# Altium PCB DAC_Sources.PcbDoc (part 2 of 9)
Units mil, origin at the board's own origin, x right, y up, seen from the top; angles counter-clockwise.
Board outline 10905.51 x 5393.7 mil, 8 copper layers (Top Layer, GND_02, SIG_03, PWR_04, PWR_05, SIG_06, GND_07, Bottom Layer), stack 65.69 mil thick; 663 components, 464 nets, 2338 pads, 2140 vias.
Unrouted connection lines stored in the file: 515.
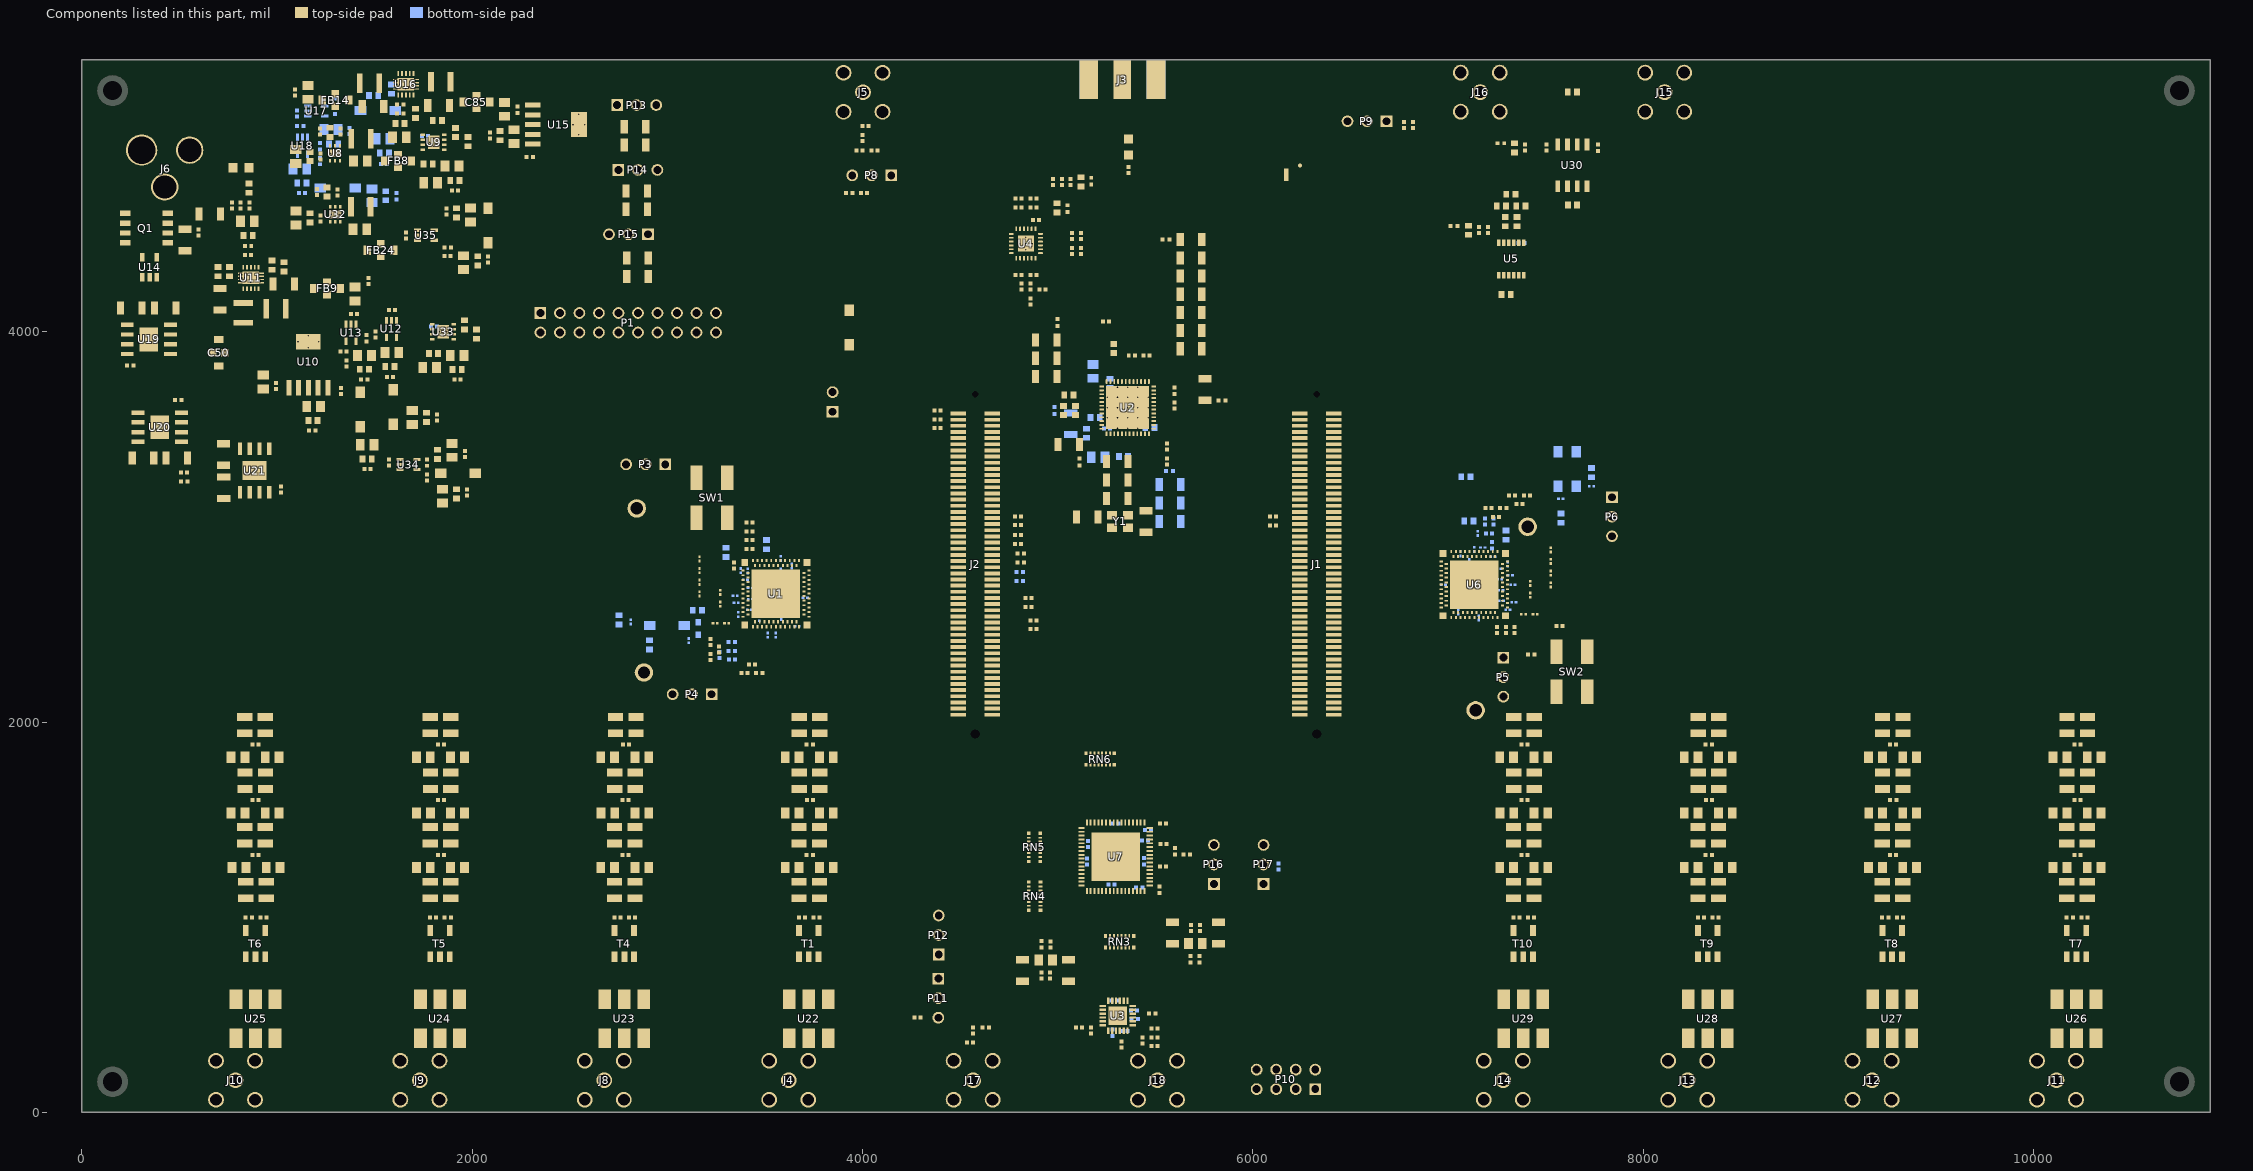
[diagram p8: the components of this part, seen from the top]

## Components (designator, comment, footprint, x,y, rotation, side; value= is the part's Value field where it differs from the comment) (continued)
R151 "RC0402JR-070RL" R0402 4384.65,3551.18 r0 top
R152 "RC0402JR-070RL" R0402 4385.04,3595.67 r180 top
RN3 "EXB-2HV470JV" EXB-2HV470JV 5317.72,875.2 r180 top
RN4 "EXB-2HV470JV" EXB-2HV470JV 4881.89,1108.27 r90 top
RN5 "EXB-2HV470JV" EXB-2HV470JV 4881.1,1358.66 r90 top
RN6 "EXB-2HV470JV" EXB-2HV470JV 5218.15,1811.02 r0 top
SW1 "KT11P3JM34LFS" FP-KT11P3JM34LFS-MFG 3228.35,3149.21 r270 top
SW2 "KT11P3JM34LFS" FP-KT11P3JM34LFS-MFG 7635.43,2258.56 r90 top
T1 "ETC1-1-13TR" FP-ETC1-1-13TR-MFG 3724.65,865 r180 top
T4 "ETC1-1-13TR" FP-ETC1-1-13TR-MFG 2779.76,865 r180 top
T5 "ETC1-1-13TR" FP-ETC1-1-13TR-MFG 1834.88,865 r180 top
T6 "ETC1-1-13TR" FP-ETC1-1-13TR-MFG 890,865 r180 top
T7 "ETC1-1-13TR" FP-ETC1-1-13TR-MFG 10220.71,865 r180 top
T8 "ETC1-1-13TR" FP-ETC1-1-13TR-MFG 9275.83,865 r180 top
T9 "ETC1-1-13TR" FP-ETC1-1-13TR-MFG 8330.94,865 r180 top
T10 "ETC1-1-13TR" FP-ETC1-1-13TR-MFG 7386.06,865 r180 top
TP5 "5010" 5010 2843.31,3095.28 r0 top
TP6 "5010" 5010 2880.31,2254.33 r0 top
TP7 "5010" 5010 7141.73,2060.63 r0 top
TP8 "5010" 5010 7408.27,3001.18 r0 top
U1 "DAC3484IRKDT" TI-RKD88-6300X6300TP_V 3556.3,2658.19 r180 top
U2 "CDCE62005RGZT" FP-RGZ0048D-IPC_A 5359.06,3611.42 r90 top
U3 "ADA4930-2YCPZ-R2" 24-LFCSP 5309.06,496.46 r90 top
U4 "CDCP1803RGET" QFN25 4837.4,4452.36 r90 top
U5 "LTC6957HMS-2#PBF" 12_MSOP 7323.8,4373.16 r180 top
U6 "DAC3484IRKDT" TI-RKD88-6300X6300TP_V 7135.04,2704.72 r0 top
U7 "AD9643BCPZ-250" 64-LFCSP_9X9 5297.24,1310.47 r270 top
U8 "TPS62290DRVR" FP-DRV0006A-IPC_A 1297.64,4914.57 r270 top
U9 "TPS7A8001DRBR" DRB0008A_V 1802.17,4971.54 r180 top
U10 "TPS79633QDCQRQ1" DCQ0006A 1160.83,3831.5 r90 top
U11 "TPS62420DRCR" DRC0010G 866.54,4276.38 r270 top
U12 "TPS71701DCKR" DCK 1586.61,4014.57 r270 top
U13 "TPS71701DCKR" DCK 1379.53,3994.88 r270 top
U14 "TPS2400DBVT" DBV0005A 347.24,4331.89 r90 top
U15 "TPS79633QDCQRQ1" DCQ0006A 2429.13,5062.2 r0 top
U16 "TPS62420DRCR" DRC0010G 1660.83,5268.5 r90 top
U17 "TPS71701DCKR" DCK 1201.18,5132.28 r0 bottom
U18 "TPS71701DCKR" DCK 1130.32,4953.54 r270 bottom
U19 "ADP1706ARDZ-3.3-R7" ADI-RD-8-2_M 343.7,3961.02 r90 top
U20 "ADP1706ARDZ-1.8-R7" ADI-RD-8-2_M 399.21,3511.02 r270 top
U21 "ADP1706ARDZ-1.8-R7" ADI-RD-8-2_M 885.43,3289.37 r180 top
U22 "ADT4-1WT" CD542 3724.65,480 r0 top
U23 "ADT4-1WT" CD542 2779.76,480 r0 top
U24 "ADT4-1WT" CD542 1834.88,480 r0 top
U25 "ADT4-1WT" CD542 890,480 r0 top
U26 "ADT4-1WT" CD542 10220.71,480 r0 top
U27 "ADT4-1WT" CD542 9275.83,480 r0 top
U28 "ADT4-1WT" CD542 8330.94,480 r0 top
U29 "ADT4-1WT" CD542 7386.06,480 r0 top
U30 "DS90LV001TMX/NOPB" SOIC_8 7637.8,4852.36 r90 top
U32 "TPS62290DRVR" FP-DRV0006A-IPC_A 1298.43,4601.57 r270 top
U33 "TPS7A8001DRBR" DRB0008A_V 1851.18,3999.61 r180 top
U34 "TPS71701DCKR" DCK 1673.62,3319.29 r0 top
U35 "TPS71701DCKR" DCK 1762.99,4494.88 r0 top
Y1 "ASE-10.000MHZ-LC-T" ASE 5319.68,3028.74 r0 top

## Footprints (in the part's own frame and the unit in brackets; to place one, negate y for a bottom-side part, rotate by r counter-clockwise, add the part's x,y. Pads: shape width x height; smd on the part's side, far side on the other; paste and mask are expansions set on the pad)
12_MSOP [mil]
  rect 16.5x35 smd mask+2.01: 1(-64,-83) 2(-38.41,-83) 3(-12.82,-83) 4(12.77,-83) 5(38.36,-83) 6(63.95,-83) 7(63.95,83) 8(38.36,83) 9(12.77,83) 10(-12.82,83) 11(-38.41,83) 12(-64,83)
  silkscreen extent -100,-98 86,65, body extent -80,-96 80,96, height 43
24-LFCSP [mm]
  rect 0.85x0.3 smd mask+0.051: 1(-1.95,1.25) 2(-1.95,0.75) 3(-1.95,0.25) 4(-1.95,-0.25) 5(-1.95,-0.75) 6(-1.95,-1.25) 13(1.95,-1.25) 14(1.95,-0.75) 15(1.95,-0.25) 16(1.95,0.25) 17(1.95,0.75) 18(1.95,1.25)
  rect 0.3x0.85 smd mask+0.051: 7(-1.25,-1.95) 8(-0.75,-1.95) 9(-0.25,-1.95) 10(0.25,-1.95) 11(0.75,-1.95) 12(1.25,-1.95) 19(1.25,1.95) 20(0.75,1.95) 21(0.25,1.95) 22(-0.25,1.95) 23(-0.75,1.95) 24(-1.25,1.95)
  rect 2.4x2.4 smd mask+0.051: 25(0,0)
  silkscreen extent -2.69,-2.16 2.16,2.15, body extent -2.05,-2.05 2.05,2.05, height 0.8
64-LFCSP_9X9 [mil]
  rect 32x10 smd paste+0 mask+2.01: 1(-175,147.64) 2(-175,127.95) 3(-175,108.27) 4(-175,88.58) 5(-175,68.9) 6(-175,49.21) 7(-175,29.53) 8(-175,9.84) 9(-175,-9.84) 10(-175,-29.53) 11(-175,-49.21) 12(-175,-68.9) 13(-175,-88.58) 14(-175,-108.27) 15(-175,-127.95) 16(-175,-147.64) 33(175,-147.64) 34(175,-127.95) 35(175,-108.27) 36(175,-88.58) 37(175,-68.9) 38(175,-49.21) 39(175,-29.53) 40(175,-9.84) 41(175,9.84) 42(175,29.53) 43(175,49.21) 44(175,68.9) 45(175,88.58) 46(175,108.27) 47(175,127.95) 48(175,147.64)
  rect 10x32 smd paste+0 mask+2.01: 17(-147.64,-175) 18(-127.95,-175) 19(-108.27,-175) 20(-88.58,-175) 21(-68.9,-175) 22(-49.21,-175) 23(-29.53,-175) 24(-9.84,-175) 25(9.84,-175) 26(29.53,-175) 27(49.21,-175) 28(68.9,-175) 29(88.58,-175) 30(108.27,-175) 31(127.95,-175) 32(147.64,-175) 49(147.64,175) 50(127.95,175) 51(108.27,175) 52(88.58,175) 53(68.9,175) 54(49.21,175) 55(29.53,175) 56(9.84,175) 57(-9.84,175) 58(-29.53,175) 59(-49.21,175) 60(-68.9,175) 61(-88.58,175) 62(-108.27,175) 63(-127.95,175) 64(-147.64,175)
  rect 250x250 smd paste-125 mask+2.01: 65(0,0)
  silkscreen extent -211,-183 183,183, body extent -179,-179 179,179, height 39
0805HP [mil]
  rect 78x40 smd mask+2.01: 1(0,42) 2(0,-42)
  silkscreen extent -38,-16 38,16, body extent -33,-42 35,45, height 59
5010 [mm]
  round 2.4 hole 1.6 mask+0.051: 1(0,0)
  silkscreen extent -1.73,-1.7 1.67,1.7, body extent -1.6,-1.59 1.6,1.59, height 8.12
ADI-RD-8-2_M [mil]
  rect 22x65.5 smd paste+0 mask+2.01: 1(-75,-111.25) 2(-25,-111.25) 3(25,-111.25) 4(75,-111.25) 5(75,111.25) 6(25,111.25) 7(-25,111.25) 8(-75,111.25)
  rect 122x95 smd paste-60.5 mask+2.01: 9(0,0)
  silkscreen extent -115,-109 103,83, body extent -96,-118 96,118, height 67
AMPHENOL_61083-104400LF [mm]
  rect 0.5x2 smd mask+0.051: 1(-19.6,2.2) 2(-19.6,-2.2) 3(-18.8,2.2) 4(-18.8,-2.2) 5(-18,2.2) 6(-18,-2.2) 7(-17.2,2.2) 8(-17.2,-2.2) 9(-16.4,2.2) 10(-16.4,-2.2) 11(-15.6,2.2) 12(-15.6,-2.2) 13(-14.8,2.2) 14(-14.8,-2.2) 15(-14,2.2) 16(-14,-2.2) 17(-13.2,2.2) 18(-13.2,-2.2) 19(-12.4,2.2) 20(-12.4,-2.2) 21(-11.6,2.2) 22(-11.6,-2.2) 23(-10.8,2.2) 24(-10.8,-2.2) 25(-10,2.2) 26(-10,-2.2) 27(-9.2,2.2) 28(-9.2,-2.2) 29(-8.4,2.2) 30(-8.4,-2.2) 31(-7.6,2.2) 32(-7.6,-2.2) 33(-6.8,2.2) 34(-6.8,-2.2) 35(-6,2.2) 36(-6,-2.2) 37(-5.2,2.2) 38(-5.2,-2.2) 39(-4.4,2.2) 40(-4.4,-2.2) 41(-3.6,2.2) 42(-3.6,-2.2) 43(-2.8,2.2) 44(-2.8,-2.2) 45(-2,2.2) 46(-2,-2.2) 47(-1.2,2.2) 48(-1.2,-2.2) 49(-0.4,2.2) 50(-0.4,-2.2) 51(0.4,2.2) 52(0.4,-2.2) 53(1.2,2.2) 54(1.2,-2.2) 55(2,2.2) 56(2,-2.2) 57(2.8,2.2) 58(2.8,-2.2) 59(3.6,2.2) 60(3.6,-2.2) 61(4.4,2.2) 62(4.4,-2.2) 63(5.2,2.2) 64(5.2,-2.2) 65(6,2.2) 66(6,-2.2) 67(6.8,2.2) 68(6.8,-2.2) 69(7.6,2.2) 70(7.6,-2.2) 71(8.4,2.2) 72(8.4,-2.2) 73(9.2,2.2) 74(9.2,-2.2) 75(10,2.2) 76(10,-2.2) 77(10.8,2.2) 78(10.8,-2.2) 79(11.6,2.2) 80(11.6,-2.2) 81(12.4,2.2) 82(12.4,-2.2) 83(13.2,2.2) 84(13.2,-2.2) 85(14,2.2) 86(14,-2.2) 87(14.8,2.2) 88(14.8,-2.2) 89(15.6,2.2) 90(15.6,-2.2) 91(16.4,2.2) 92(16.4,-2.2) 93(17.2,2.2) 94(17.2,-2.2) 95(18,2.2) 96(18,-2.2) 97(18.8,2.2) 98(18.8,-2.2) 99(19.6,2.2) 100(19.6,-2.2)
  round 0 hole 0.8 unplated mask+0.051: MH1(-22.1,0)
  round 0 hole 1.2 unplated mask+0.051: MH1(22.1,0)
  silkscreen extent -23.11,-3.43 23.11,3.43, body extent -22.9,-3 22.9,3, height 7.65
ASE [mm]
  rect 1.3x1.1 smd mask+0.051: 1(-1.05,-0.825) 2(1.05,-0.825) 3(1.05,0.825) 4(-1.05,0.825)
  silkscreen extent -2.13,-1.74 1.83,1.46, body extent -1.6,-1.25 1.6,1.25, height 1.2
BEADC3216X130N [mm]
  rect 0.95x1.7 smd mask+0.051: 1(-1.4,0) 2(1.4,0)
  silkscreen extent -1.81,-1.01 1.8,1.01, body extent -1.6,-0.8 1.6,0.8, height 1.1
BLM15 [mm]
  rect 0.5x0.5 smd mask+0.051: 1(-0.45,0) 2(0.45,0)
  silkscreen extent -0.63,-0.38 0.63,0.38, body extent -0.5,-0.25 0.5,0.25, height 0.5
BLM18 [mm]
  rect 0.85x0.7 smd mask+0.051: 1(-0.825,0) 2(0.825,0)
  silkscreen extent -0.87,-0.6 0.87,0.6, body extent -0.8,-0.4 0.8,0.4, height 0.8
BLM41 [mm]
  rect 1.5x1.2 smd mask+0.051: 1(-2.25,0) 2(2.25,0)
  silkscreen extent -2.46,-1.01 2.46,1.01, body extent -2.25,-0.8 2.25,0.8, height 1.6
C0201 [mm]
  rect 0.36x0.32 smd mask+0.051: 1(-0.28,0) 2(0.28,0)
  body extent -0.3,-0.15 0.3,0.15, height 0.33
C0402 [mm]
  rect 0.52x0.52 smd mask+0.051: 1(-0.4,0) 2(0.4,0)
  silkscreen extent -0.4,-0.4 0.4,0.4, body extent -0.5,-0.25 0.5,0.25, height 0.48
C0603 [mm]
  rect 0.75x0.9 smd mask+0.051: 1(-0.6,0) 2(0.6,0)
  silkscreen extent -0.87,-0.6 0.87,0.6, body extent -0.8,-0.45 0.8,0.45, height 0.8
C0805 [mm]
  rect 1.15x1.45 smd mask+0.051: 1(-0.9,0) 2(0.9,0)
  silkscreen extent -1.27,-0.89 1.27,0.89, body extent -1,-0.63 1,0.63, height 0.8
C1206 [mm]
  rect 0.95x1.7 smd mask+0.051: 1(-1.4,0) 2(1.4,0)
  silkscreen extent -1.81,-1.01 1.8,1.01, body extent -1.6,-0.8 1.6,0.8, height 1
CD542 [mil]
  rect 65x100 smd mask+2.01: 1(-100,-100) 2(0,-100) 3(100,-100) 4(100,100) 5(0,100) 6(-100,100)
  silkscreen extent -160,-142 159,114, body extent -155,-136 155,136, height 112
DBV0005A [mm]
  rect 1.1x0.6 smd mask+0.051: 1(-1.3,0.95) 2(-1.3,0) 3(-1.3,-0.95) 4(1.3,-0.95) 5(1.3,0.95)
  silkscreen extent -1.6,-1.63 0.98,1.99, body extent -1.51,-1.5 1.51,1.5, height 1.45
DCK [mm]
  rect 0.95x0.4 smd mask+0.051: 1(-1.1,0.65) 2(-1.1,0) 3(-1.1,-0.65) 4(1.1,-0.65) 5(1.1,0.65)
  silkscreen extent -1.39,-1.19 0.81,1.39, body extent -1.1,-1 1.1,1, height 1.1
DCQ0006A [mm]
  rect 2.05x0.65 smd mask+0.051: 1(-3,2.54) 2(-3,1.27) 3(-3,0) 4(-3,-1.27) 5(-3,-2.54)
  round 0.5 hole 0.2 paste-2539.97 mask+0.051: 6(2.225,0) 6(3,-1.35) 6(3,1.35) 6(3.775,0)
  rect 2.05x3.2 smd paste-2539.97 mask+0.051: 6(3,0)
  silkscreen extent -2.61,-3.41 1.91,3.6, body extent -3.63,-3.27 3.63,3.27, height 1.8
DRB0008A_V [mm]
  rect 0.6x0.31 smd mask+0.051: 1(-1.4,0.975) 2(-1.4,0.325) 3(-1.4,-0.325) 4(-1.4,-0.975) 5(1.4,-0.975) 6(1.4,-0.325) 7(1.4,0.325) 8(1.4,0.975)
  rect 0.23x0.725 on Top Paste mask+0.051: 7(-0.325,1.337) 7(-0.325,-1.337) 7(0.325,1.337) 7(0.325,-1.337)
  rect 1.34x1.55 on Top Paste mask+0.051: 7(0,0)
  round 0.5 hole 0.2 mask+0.051: 9(-0.5,0) 9(0,0.5) 9(0,-0.5) 9(0.5,0)
  rect 1.5x1.75 smd paste-2539.97 mask+0.051: 9(0,0)
  Top Layer region: -0.44,-1.695 -0.21,-1.695 -0.21,-0.77 -0.44,-0.77
  Top Layer region: 0.44,-0.67 0.21,-0.67 0.21,-1.695 0.44,-1.695
  Top Layer region: -0.44,0.75 -0.21,0.75 -0.21,1.695 -0.44,1.695
  Top Layer region: 0.44,1.695 0.21,1.695 0.21,0.73 0.44,0.73
  silkscreen extent -2.14,-1.66 1.66,1.66, body extent -1.5,-1.5 1.5,1.5, height 1
DRC0010G [mm]
  rect 0.6x0.24 smd mask+0.051: 1(-1.4,1) 2(-1.4,0.5) 3(-1.4,0) 4(-1.4,-0.5) 5(-1.4,-1) 6(1.4,-1) 7(1.4,-0.5) 8(1.4,0) 9(1.4,0.5) 10(1.4,1)
  rect 0.18x0.625 smd paste-2539.97 mask+0.051: 11(-0.615,1.38) 11(-0.615,-1.38) 11(-0.205,1.38) 11(-0.205,-1.38) 11(0.205,1.38) 11(0.205,-1.38) 11(0.615,1.38) 11(0.615,-1.38)
  rect 0.18x0.414 on Top Paste mask+0.051: 11(-0.615,1.485) 11(-0.615,-1.485) 11(-0.205,1.485) 11(-0.205,-1.485) 11(0.205,1.485) 11(0.205,-1.485) 11(0.615,1.485) 11(0.615,-1.485)
  round 0.5 hole 0.2 mask+0.051: 11(-0.55,0) 11(0,0.825) 11(0,-0.825) 11(0.55,0)
  rect 1.47x0.96 on Top Paste mask+0.051: 11(0,0.595) 11(0,-0.595)
  rect 1.6x2.15 smd paste-2539.97 mask+0.051: 11(0,0)
  silkscreen extent -2.17,-1.66 1.66,1.66, body extent -1.5,-1.5 1.5,1.5, height 1
EXB-2HV470JV [mm]
  rect 0.425x0.5 smd mask+0.051: 1(-1.838,-0.75) 8(1.838,-0.75) 9(1.838,0.75) 16(-1.838,0.75)
  rect 0.25x0.5 smd mask+0.051: 2(-1.25,-0.75) 3(-0.75,-0.75) 4(-0.25,-0.75) 5(0.25,-0.75) 6(0.75,-0.75) 7(1.25,-0.75) 10(1.25,0.75) 11(0.75,0.75) 12(0.25,0.75) 13(-0.25,0.75) 14(-0.75,0.75) 15(-1.25,0.75)
  silkscreen extent -2.54,-1.18 2.06,0.35, body extent -1.95,-0.9 1.95,0.9, height 0.55
FP-142-0701-801-MFG [mil]
  rect 90x200 smd mask+2.01: 1(0,-7.87)
  rect 95x200 smd mask+2.01: 2(-172.5,-7.87) 3(172.5,-7.87)
  rect 95x200 smd far side mask+2.01: 2(-172.5,-7.87) 3(172.5,-7.87)
  body extent -191,-95 184,467, height 170
FP-85305-0232-MFG [mm]
  rect 0.6x1.65 smd mask+0.051: 1(0,-2.775)
  round 0.508 smd mask+0.051: 2(1.77,-1.58)
  Top Layer region: 2.794,-2.794 0.85,-2.794 0.85,-1.356 1.02,-1.243 1.243,-1.02 1.418,-0.758 1.539,-0.467 1.6,-0.158 1.6,0 1.6,0.158 1.539,0.467 1.418,0.758 1.243,1.02 1.02,1.243 0.758,1.418 0.467,1.539 0.158,1.6 -0.158,1.6 -0.467,1.539 -0.758,1.418 -1.02,1.243 -1.243,1.02 -1.418,0.758 -1.539,0.467 -1.6,0.158 -1.6,0 -1.6,-0.158 -1.539,-0.467 -1.418,-0.758 -1.243,-1.02 -1.02,-1.243 -0.85,-1.356 -0.85,-2.794 -2.794,-2.794 -2.794,2.794 2.794,2.794
  silkscreen extent -2.65,-2.65 2.65,2.65, body extent -2.49,-3.43 2.51,2.57, height 4.1
FP-DNK0008A-MFG [mil]
  rect 42x22 on Top Paste mask+2.01: 1(106.5,-75) 2(106.5,-25) 3(106.5,25) 4(106.5,75)
  rect 54x27 smd paste-99999 mask+2.01: 1(109,-75) 2(109,-25) 3(109,25) 4(109,75) 5-6-7-8(-109,-75) 5-6-7-8(-109,-25) 5-6-7-8(-109,25) 5-6-7-8(-109,75)
  rect 30x20 on Top Paste mask+2.01: 5(-116.5,75) 6(-116.5,25) 7(-116.5,-25) 8(-116.5,-75)
  rect 51x29 on Top Paste mask+2.01: 8(-65,-61.5) 8(-65,-20.5) 8(-65,20.5) 8(-65,61.5) 8(0,-61.5) 8(0,-20.5) 8(0,20.5) 8(0,61.5)
  Top Layer region: -113,-89 39,-89 39,89 -113,89
  silkscreen extent -124,-111 148,105, body extent -118,-98 118,98, height 39
FP-DRV0006A-IPC_A [mm]
  rect 0.45x0.3 smd mask+0.051: 1(-0.975,0.65) 2(-0.975,0) 3(-0.975,-0.65) 4(0.975,-0.65) 5(0.975,0) 6(0.975,0.65)
  round 0.4 hole 0.2 mask+0.051: 7(0,0.55) 7(0,-0.55)
  rect 1x0.7 on Top Paste mask+0.051: 7(0,0.45) 7(0,-0.45)
  rect 1x1.6 smd paste-2539.97 mask+0.051: 7(0,0)
  silkscreen extent -1.73,-1.16 1.16,1.41, body extent -1.01,-1 1.01,1, height 0.8
FP-ETC1-1-13TR-MFG [mm]
  rect 0.76x1.4 smd mask+0.051: 1(-1.27,-1.715) 2(1.27,-1.715) 3(1.27,1.715) 4(0,1.715) 5(-1.27,1.715)
  silkscreen extent -2.44,-2.4 2.12,1.6, body extent -1.91,-1.91 1.91,1.91, height 2.75
FP-KT11P3JM34LFS-MFG [mm]
  rect 3.175x1.59 smd mask+0.051: 1(-2.602,2) 2(2.602,2) 3(-2.602,-2) 4(2.602,-2)
  silkscreen extent -4.65,-3.41 3.46,3.62, body extent -4.99,-3.18 4.99,3.18, height 6.84
FP-LTST-C170GKT-MFG [mm]
  rect 1.2x1.2 smd mask+0.051: 1(-1.05,0) 2(1.05,0)
  silkscreen extent -1.16,-0.78 1.16,1.99, body extent -1.01,-0.6 1.01,0.6, height 1.1
FP-LTST-C170TBKT-MFG [mm]
  rect 1.2x1.2 smd mask+0.051: 1(-1.05,0) 2(1.05,0)
  silkscreen extent -1.16,-0.78 1.16,1.99, body extent -1.01,-0.6 1.01,0.6, height 1.1
FP-NFM31-0_2-MFG [mm]
  rect 0.95x1.2 smd mask+0.051: 1(-1.725,0) 3(1.725,0)
  rect 1x1 smd mask+0.051: 2(0,0.8) 2(0,-0.8)
  silkscreen extent -2.31,-1.01 1.81,1.13, body extent -1.6,-0.8 1.6,0.8, height 1.3
FP-RGZ0048D-IPC_A [mm]
  rrect50% 0.6x0.24 smd mask+0.051: 1(-3.4,2.75) 2(-3.4,2.25) 3(-3.4,1.75) 4(-3.4,1.25) 5(-3.4,0.75) 6(-3.4,0.25) 7(-3.4,-0.25) 8(-3.4,-0.75) 9(-3.4,-1.25) 10(-3.4,-1.75) 11(-3.4,-2.25) 12(-3.4,-2.75) 25(3.4,-2.75) 26(3.4,-2.25) 27(3.4,-1.75) 28(3.4,-1.25) 29(3.4,-0.75) 30(3.4,-0.25) 31(3.4,0.25) 32(3.4,0.75) 33(3.4,1.25) 34(3.4,1.75) 35(3.4,2.25) 36(3.4,2.75)
  rrect50% 0.24x0.6 smd mask+0.051: 13(-2.75,-3.4) 14(-2.25,-3.4) 15(-1.75,-3.4) 16(-1.25,-3.4) 17(-0.75,-3.4) 18(-0.25,-3.4) 19(0.25,-3.4) 20(0.75,-3.4) 21(1.25,-3.4) 22(1.75,-3.4) 23(2.25,-3.4) 24(2.75,-3.4) 37(2.75,3.4) 38(2.25,3.4) 39(1.75,3.4) 40(1.25,3.4) 41(0.75,3.4) 42(0.25,3.4) 43(-0.25,3.4) 44(-0.75,3.4) 45(-1.25,3.4) 46(-1.75,3.4) 47(-2.25,3.4) 48(-2.75,3.4)
  round 0.2 / inner round 0.5 / far side round 0.5 hole 0.2 mask+0.051: 49(-2.66,-1.33) 49(-2.66,0) 49(-2.66,1.33) 49(-1.33,2.66) 49(-1.33,-1.33) 49(-1.33,0) 49(-1.33,1.33) 49(-1.33,-2.66) 49(0,2.66) 49(0,1.33) 49(0,0) 49(0,-1.33) 49(0,-2.66) 49(1.33,2.66) 49(1.33,-1.33) 49(1.33,0) 49(1.33,1.33) 49(1.33,-2.66) 49(2.66,-1.33) 49(2.66,0) 49(2.66,1.33)
  rect 1.13x1.13 on Top Paste mask+0.051: 49(-1.995,-1.995) 49(-1.995,-0.665) 49(-1.995,0.665) 49(-1.995,1.995) 49(-0.665,1.995) 49(-0.665,-0.665) 49(-0.665,0.665) 49(-0.665,-1.995) 49(0.665,1.995) 49(0.665,-0.665) 49(0.665,0.665) 49(0.665,-1.995) 49(1.995,-1.995) 49(1.995,-0.665) 49(1.995,0.665) 49(1.995,1.995)
  rect 5.6x5.6 smd paste-2539.97 mask+0.051: 49(0,0)
  silkscreen extent -4.34,-3.68 3.68,3.68, body extent -3.5,-3.5 3.5,3.5, height 1
HEADER_2X1 [mil]
  rect 60x60 hole 40 mask+2.01: 1(0,0)
  round 60 hole 40 mask+2.01: 2(100,0)
  silkscreen extent -54,-54 154,54, body extent -50,-50 150,50, height 331
HEADER_3X1 [mil]
  rect 60x60 hole 40 mask+2.01: 1(0,0)
  round 60 hole 40 mask+2.01: 2(100,0) 3(200,0)
  silkscreen extent -54,-54 254,54, body extent -50,-50 250,50, height 362
HEADER_4X2 [mil]
  rect 60x60 hole 40 mask+2.01: 1(0,0)
  round 60 hole 40 mask+2.01: 2(0,-100) 3(100,0) 4(100,-100) 5(200,0) 6(200,-100) 7(300,0) 8(300,-100)
  silkscreen extent -54,-155 354,54, body extent -50,-150 350,46, height 348
HEADER_10X2 [mil]
  rect 60x60 hole 40 mask+2.01: 1(0,0)
  round 60 hole 40 mask+2.01: 2(0,-100) 3(100,0) 4(100,-100) 5(200,0) 6(200,-100) 7(300,0) 8(300,-100) 9(400,0) 10(400,-100) 11(500,0) 12(500,-100) 13(600,0) 14(600,-100) 15(700,0) 16(700,-100) 17(800,0) 18(800,-100) 19(900,0) 20(900,-100)
  silkscreen extent -54,-155 955,54, body extent -50,-150 950,50, height 314
lps3015 [mil]
  rect 30x100 smd mask+2.01: 1(-50,0) 2(50,0)
  Top Layer region: 35.04,20.08 20.08,35.04 20.08,59.84 64.96,59.84 64.96,20.08
  Top Layer region: 35.04,-20.08 20.08,-35.04 20.08,-59.84 64.96,-59.84 64.96,-20.08
  Top Layer region: -35.04,20.08 -20.08,35.04 -20.08,59.84 -64.96,59.84 -64.96,20.08
  Top Layer region: -35.04,-20.08 -20.08,-35.04 -20.08,-59.84 -64.96,-59.84 -64.96,-20.08
  silkscreen extent -17,-64 17,64, body extent -60,-60 60,60, height 59
MOLX-731000114_V [mil]
  round 81 hole 61 mask+2.01: 1(0,0) 2(100,100) 3(-100,100) 4(-100,-100) 5(100,-100)
  silkscreen extent -129,-129 129,60, body extent -125,-125 125,458, height 380
QFN25 [mm]
  rrect50% 0.6x0.24 smd mask+0.051: 1(-1.9,1.25) 2(-1.9,0.75) 3(-1.9,0.25) 4(-1.9,-0.25) 5(-1.9,-0.75) 6(-1.9,-1.25) 13(1.9,-1.25) 14(1.9,-0.75) 15(1.9,-0.25) 16(1.9,0.25) 17(1.9,0.75) 18(1.9,1.25)
  rrect50% 0.24x0.6 smd mask+0.051: 7(-1.25,-1.9) 8(-0.75,-1.9) 9(-0.25,-1.9) 10(0.25,-1.9) 11(0.75,-1.9) 12(1.25,-1.9) 19(1.25,1.9) 20(0.75,1.9) 21(0.25,1.9) 22(-0.25,1.9) 23(-0.75,1.9) 24(-1.25,1.9)
  round 0.2 hole 0.2 mask+0.051: 25(-0.8,0) 25(0,0.8) 25(0,0) 25(0,-0.8) 25(0.8,0)
  rect 0.94x0.94 on Top Paste mask+0.051: 25(-0.58,-0.58) 25(-0.58,0.58) 25(0.58,-0.58) 25(0.58,0.58)
  rect 2.1x2.1 smd paste-2539.97 mask+0.051: 25(0,0)
  silkscreen extent -2.67,-2.16 2.16,2.16, body extent -2.05,-2.05 2.05,2.05, height 1
R0201 [mm]
  rect 0.36x0.32 smd mask+0.051: 1(-0.28,0) 2(0.28,0)
  body extent -0.3,-0.15 0.3,0.15, height 0.15
R0402 [mm]
  rect 0.52x0.52 smd mask+0.051: 1(-0.4,0) 2(0.4,0)
  silkscreen extent -0.4,-0.4 0.4,0.4, body extent -0.5,-0.25 0.5,0.25, height 0.35
R0603 [mm]
  rect 0.75x0.9 smd mask+0.051: 1(-0.6,0) 2(0.6,0)
  silkscreen extent -0.87,-0.6 0.87,0.6, body extent -0.8,-0.4 0.8,0.4, height 0.45
R1206 [mm]
  rect 0.95x1.7 smd mask+0.051: 1(-1.4,0) 2(1.4,0)
  silkscreen extent -1.81,-1.01 1.8,1.01, body extent -1.6,-0.8 1.6,0.8, height 0.6
SOIC_8 [mil]
  rect 61x24 smd mask+2.01: 1(-106.5,75) 2(-106.5,25) 3(-106.5,-25) 4(-106.5,-75) 5(106.5,-75) 6(106.5,-25) 7(106.5,25) 8(106.5,75)
  silkscreen extent -107,-103 83,110, body extent -118,-96 118,96, height 67
SWITCH-RAPC712X-3_V [mil]
  round 160 hole 140 mask+2.01: 1(0,-10)
  round 140 hole 120 mask+2.01: 2(-189,-128) 3(0,-256)
  silkscreen extent -189,-299 189,295, body extent -191,-278 183,295, height 437
TI-RKD88-6300X6300TP_V [mm]
  rect 0.25x0.4 smd mask+0.051: A1(3,4.3) A2(2.4,4.3) A3(1.8,4.3) A4(1.2,4.3) A5(0.6,4.3) A6(0,4.3) A7(-0.6,4.3) A8(-1.2,4.3) A9(-1.8,4.3) A10(-2.4,4.3) A11(-3,4.3) A23(-3,-4.3) A24(-2.4,-4.3) A25(-1.8,-4.3) A26(-1.2,-4.3) A27(-0.6,-4.3) A28(0,-4.3) A29(0.6,-4.3) A30(1.2,-4.3) A31(1.8,-4.3) A32(2.4,-4.3) A33(3,-4.3) B1(2.7,3.65) B2(2.1,3.65) B3(1.5,3.65) B4(0.9,3.65) B5(0.3,3.65) B6(-0.3,3.65) B7(-0.9,3.65) B8(-1.5,3.65) B9(-2.1,3.65) B10(-2.7,3.65) B21(-2.7,-3.65) B22(-2.1,-3.65) B23(-1.5,-3.65) B24(-0.9,-3.65) B25(-0.3,-3.65) B26(0.3,-3.65) B27(0.9,-3.65) B28(1.5,-3.65) B29(2.1,-3.65) B30(2.7,-3.65)